# Altium PCB FMC_ADC_100M_10B_16CHA_TDC.PcbDoc (part 7 of 12) (continued)
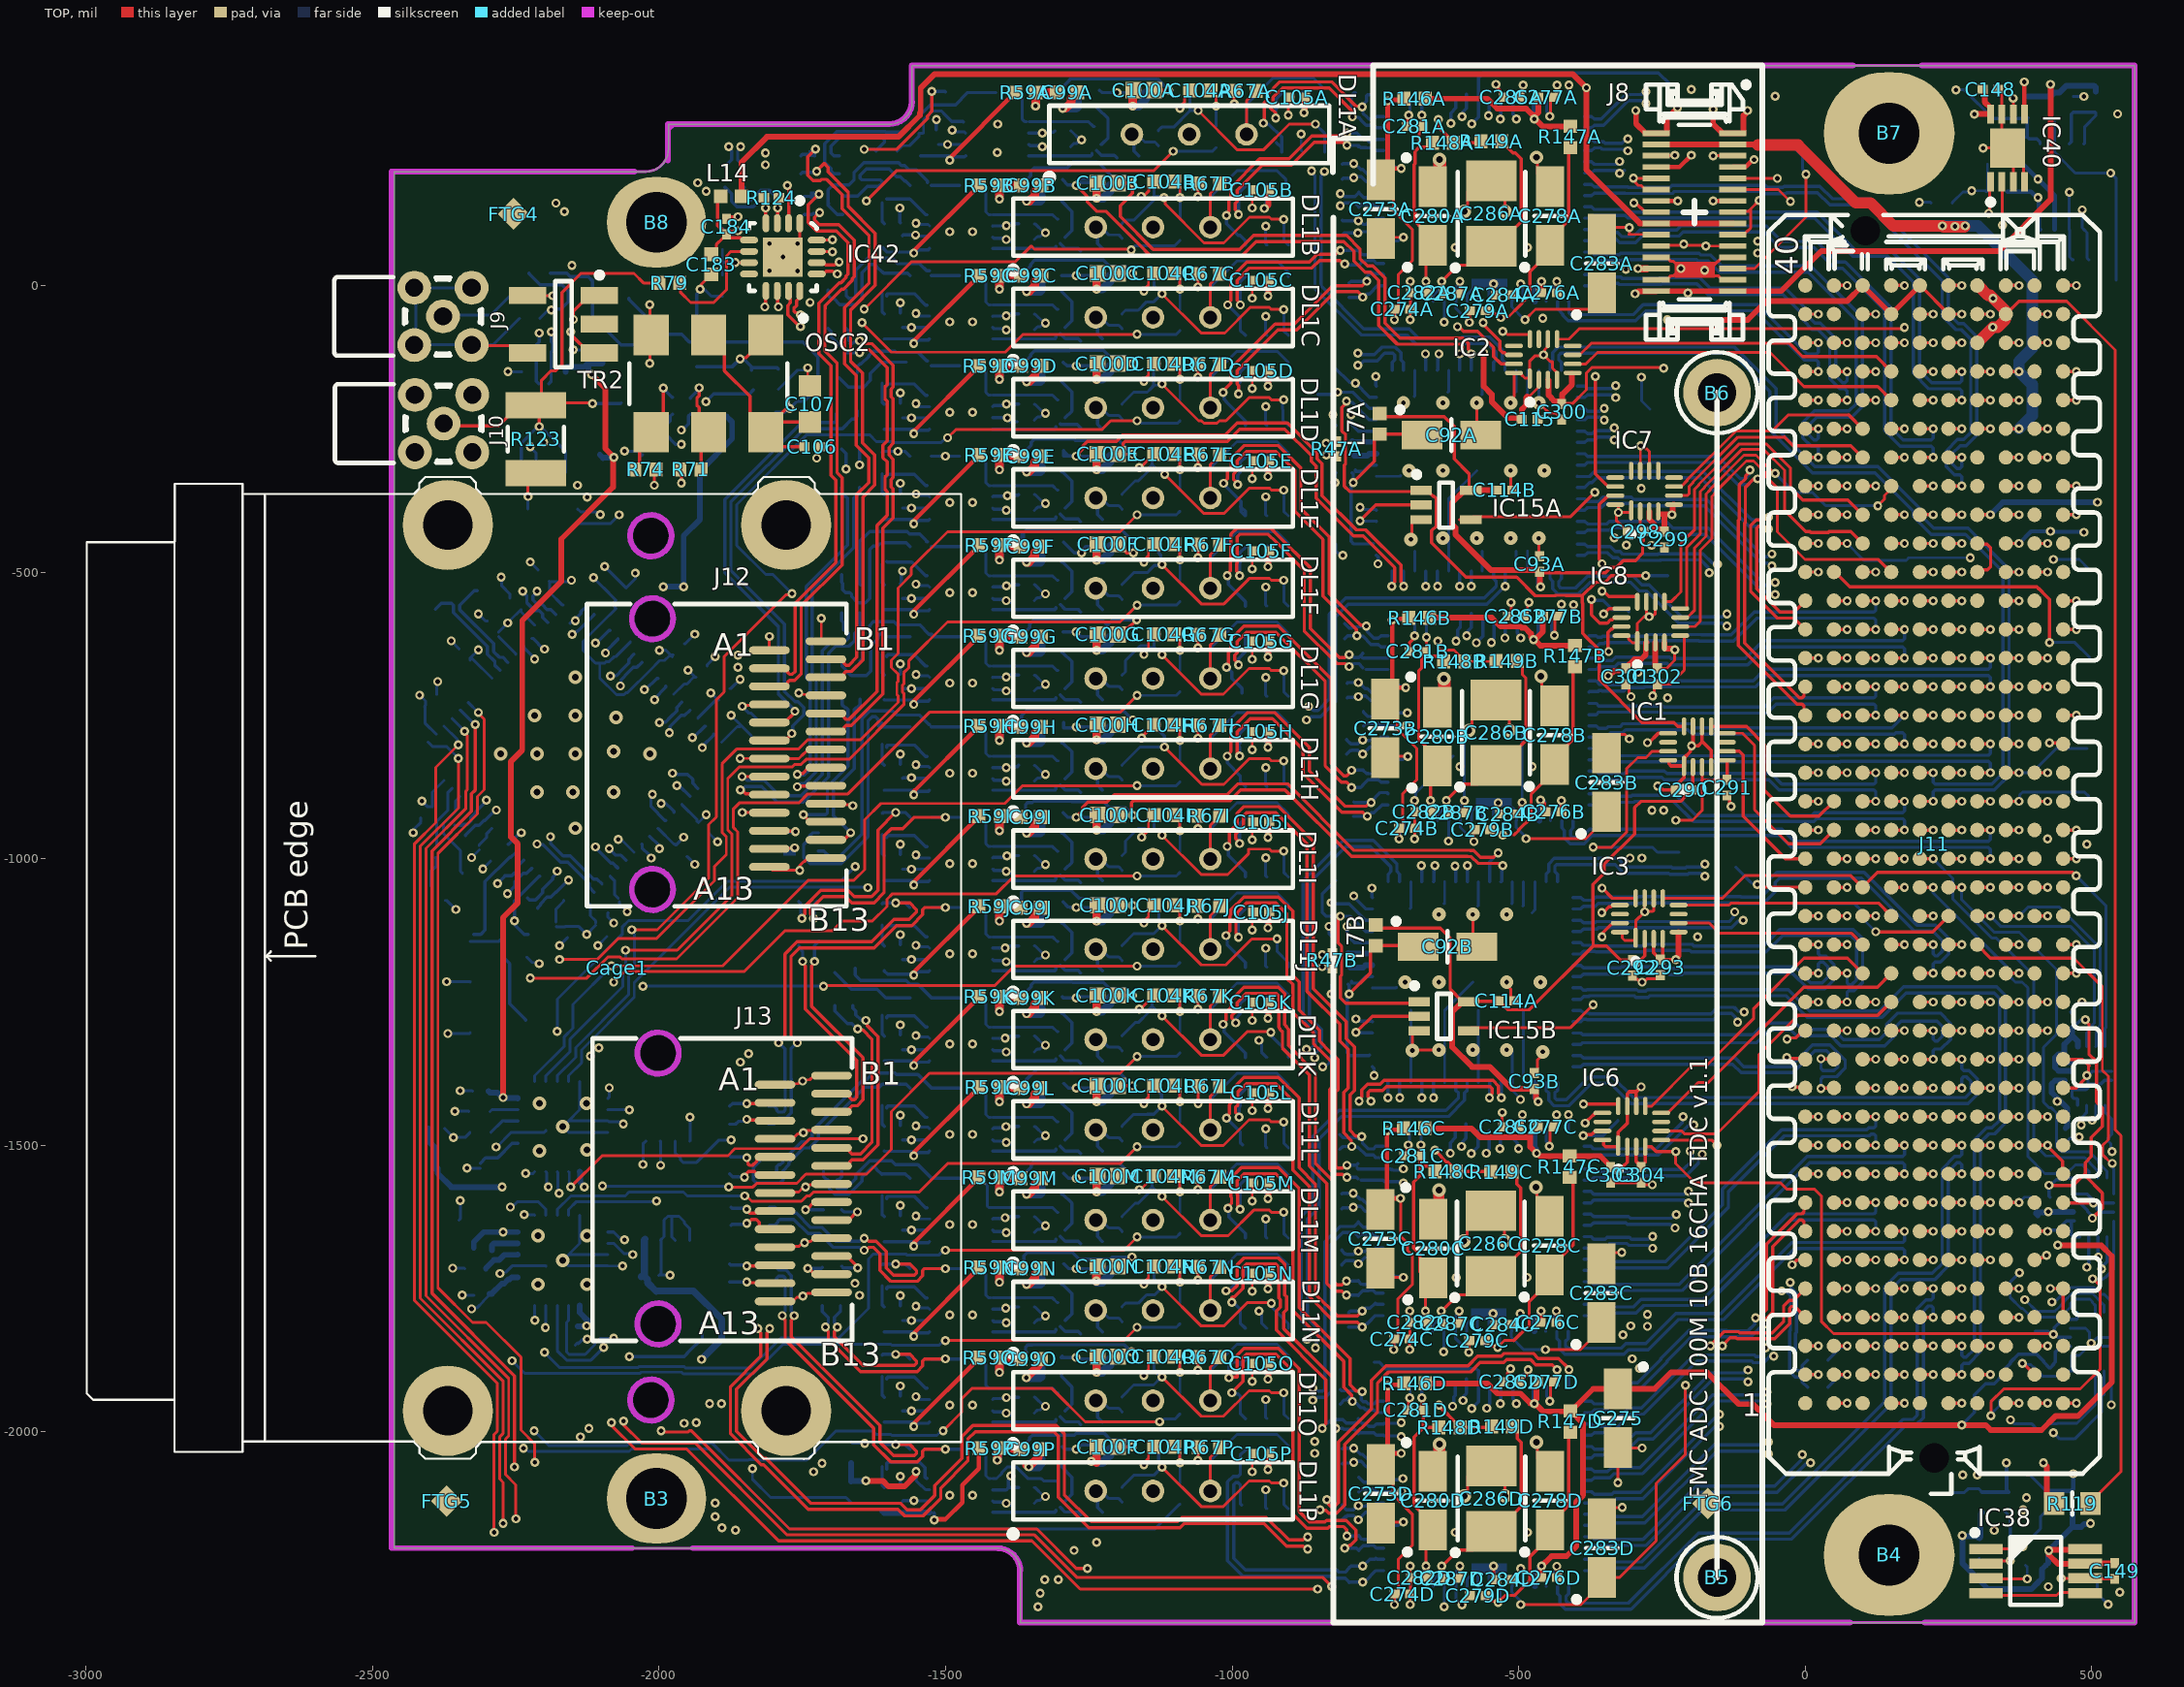
[diagram p0: TOP view]
## Nets (pads, with @x,y where several pads share a name; then routed paths per layer and width w, separated by ;. In a path a pad name is that pad's centre, name@x,y a point inside that pad or via, vN(x,y) a via of type N, cw(c..) or ccw(c..) an arc to the next point about the centre after c; other vN are vias at no path point) (continued)
  TOP w6: C281C.2@-699.21,-1518.32 -694.72,-1513.83 -694.72,-1501.3 v1(-692.86,-1499.43) ; C281A.2@-695.27,277.51 -693.7,279.08 -693.7,295.61 v1(-692.12,297.19) ; C281D.2@-693.84,-1961.52 -692.06,-1959.74 -692.06,-1942.26 v1(-690.29,-1940.49) ; IC6.16@-353.96,-1490.76 -352.88,-1490.76 -352.01,-1491.63 -352.01,-1499.22 -348.5,-1502.73 -327.27,-1502.73 -326.4,-1501.87 IC6.1@-326.4,-1500.6 -326.4,-1477.32 -310.66,-1461.57 IC6.11@-310.66,-1431.71 -310.66,-1410.23 -306.98,-1406.55 -294.91,-1406.55 ; IC6.10@-294.91,-1431.71 -294.91,-1406.55 ; v1(-286.39,-1398.03) -294.91,-1406.55 ; v1(-257.54,-873.56) -254.9,-873.56 -248.31,-880.15 -225.61,-880.15 -220.73,-875.28 -220.73,-867.73 -211.62,-858.62 IC1.1@-211.62,-838.2 ; IC1.16@-239.18,-828.36 -238.53,-828.36 -237.67,-829.22 -237.67,-834.69 -234.15,-838.2 IC1.1@-211.62,-838.2 ; IC1.11@-195.87,-769.3 -195.87,-797.63 -198.48,-800.23 v1(-198.48,-802.87) ; IC1.10@-180.12,-769.3 -180.12,-796.49 ; IC1.4@-164.38,-840.17 -164.38,-811.03 -178.92,-796.49 -180.12,-796.49 ; C291.2@-136.62,-889.82 -131.74,-894.69 -131.74,-904.26 -129.72,-906.29 v1(-129.72,-908.93) ; IC1.1@-211.62,-838.2 -211.01,-837.59 -211.01,-823.81 -200.34,-813.14 -200.34,-804.74 v1(-198.48,-802.87) ; v1(-198.48,-802.87) -186.51,-802.87 -180.12,-796.49
  BOTTOM w5: v1(-2429.16,-954.78) -2427.1,-952.72 -2427.1,-948.14 -2415.65,-936.69 C126.1@-2415.65,-929.09 ; C122.1@-2388.41,-713.3 -2387.71,-712.6 -2387.71,-692.49 v1(-2386.22,-691) ; C144.2@-2374.53,-1471.08 -2373.55,-1471.08 -2358.66,-1485.96 v1(-2358.66,-1486.27) -2338.47,-1486.27 R84.1@-2330.04,-1477.85 ; C136.1@-2373.1,-1072.9 -2370.46,-1072.9 v1(-2354.73,-1088.64) ; v1(-2370.47,-1214.62) -2329.81,-1214.62 C116.1@-2329.26,-1215.17 ; v1(-2368.63,-1305.17) -2330.67,-1305.17 C117.1@-2329.26,-1303.75 ; v1(-2362.6,-620.13) -2348.94,-633.79 C119.1@-2348.94,-634.46 ; v1(-2360.03,-1714.39) -2339.95,-1714.39 R86.1@-2339.16,-1715.17 ; v1(-2356.47,-1440.67) -2332.34,-1440.67 R81.1@-2331.79,-1441.22 ; IC37.3@-2348.94,-1630.52 -2346.85,-1628.43 v1(-2346.85,-1596.51) ; v1(-2346.85,-1404.78) -2325.87,-1404.78 C145.2@-2325.32,-1405.33 ; v1(-2343.77,-1761.49) -2323.6,-1761.49 C147.2@-2323.23,-1761.86 ; v1(-2315.36,-572.89) -2302.9,-585.35 C127.1@-2299.63,-585.35 ; v1(-2307.48,-1017.77) -2293.8,-1004.1 C124.1@-2293.8,-1003.89 ; v1(-2284.4,-1502.93) -2283.23,-1502.93 -2257.54,-1477.24 IC35.9@-2246.53,-1477.24 -2200.02,-1477.24 IC35.25@-2197.25,-1474.46 ; v1(-2277.86,-1723.6) -2275.81,-1721.54 -2267.41,-1721.54 -2256.37,-1710.51 IC36.9@-2246.53,-1710.51 -2197.42,-1710.51 IC36.25@-2197.25,-1710.68 ; v1(-2275.51,-508.87) -2274.4,-509.98 -2274.4,-524.24 -2260.26,-538.38 C123.1@-2260.26,-545.98 ; v1(-2263.74,-150.45) IC41.5@-2239.57,-150.45 ; R78.1@-2230.83,-1171.86 -2221.52,-1181.17 -2211,-1181.17 v1(-2209.05,-1183.13) ; v1(-2224.8,-482.34) -2211.05,-496.09 C134.1@-2211.05,-496.77 ; R75.1@-2208.19,-57.69 -2193.5,-43 v1(-2188,-43) ; v1(-2173.62,-1151.63) -2159.94,-1137.95 C137.1@-2159.94,-1137.75 ; v1(-2150,-112.26) -2128.09,-112.26 C181.2@-2126.48,-110.66 -2122.54,-106.72 C182.2@-2096.95,-106.72 ; C146.2@-2146.06,-1848.48 -2142.13,-1844.54 -2140.67,-1846 -2132.84,-1838.17 v1(-2125.55,-1838.17) ; T8.4@-2142.13,-389.82 -2136.75,-395.19 -2110.13,-395.19 -2105.66,-399.66 v1(-2102.75,-399.66) ; IC36.17@-2138.26,-1621.93 -2138.26,-1671.14 IC36.25@-2157.95,-1690.82 ; IC35.17@-2138.26,-1388.66 -2138.26,-1437.87 IC35.25@-2157.95,-1457.56 ; v1(-2106.69,-1151.63) -2091.14,-1136.08 C142.1@-2091.14,-1135.68 ; v1(-2094.88,-490.21) -2057.58,-527.51 C125.1@-2057.58,-527.71 -2041.38,-511.51 v1(-2041.38,-501.77) ; IC36.21@-2089.05,-1690.82 IC36.25@-2157.95,-1690.82 ; IC35.22@-2089.05,-1477.24 -2157.95,-1477.24 v2(-2167.79,-1467.4) IC35.25@-2157.95,-1457.56 ; C139.1@-2088.88,-1094.44 -2089.11,-1094.68 -2089.11,-1102.28 v1(-2079.14,-1112.26) ; v1(-2063.38,-1710.68) -2063.47,-1710.6 -2088.96,-1710.6 IC36.22@-2089.05,-1710.51 -2157.95,-1710.51 v2(-2167.79,-1700.67) IC36.25@-2157.95,-1690.82 ; v1(-2062.43,-1462.65) -2065.34,-1462.65 -2069.13,-1458.86 -2087.75,-1458.86 IC35.21@-2089.05,-1457.56 IC35.25@-2157.95,-1457.56 ; v1(-2060,-289) -2037.56,-289 -2029.94,-296.62 D3.1@-2028.6,-295.28 ; C150.2@-2000.52,-1726.98 C150.2@-1999.97,-1726.43 ; IC39.7@-1997.56,-1665.96 -1991.2,-1659.6 -1991.2,-1630.43 -1984.61,-1623.83 -1980.46,-1623.83 ; IC39.7@-1996.46,-1667.38 -1996.46,-1722.92 C150.2@-1999.97,-1726.43 ; v1(-1980.71,-1726.43) C150.2@-1999.97,-1726.43 ; IC39.6@-1971.97,-1665.96 -1977.53,-1660.4 -1977.53,-1626.76 -1980.46,-1623.83 ; C128.1@-1955.44,-624.82 -1953.9,-624.82 v1(-1937.4,-608.32) ; C138.1@-1951.28,-996.02 v1(-1937.4,-1009.9) ; IC39.5@-1946.38,-1665.96 -1946.38,-1645.29 -1955.61,-1636.06 -1955.61,-1633.32 -1965.11,-1623.83 -1980.46,-1623.83 ; IC39.4@-1946.38,-1492.73 -1945.28,-1491.63 -1946,-1490.9 v1(-1946,-1451) ; v1@-1921.66,-5.96 -1908.76,-18.86 R151.1@-1889.42,-18.86 ; C135.1@-1916.07,-664.19 -1916.07,-661.79 v1(-1901.97,-647.69) ; C121.1@-1911.91,-956.65 v1(-1898.03,-970.53) ; C140.1@-1876.5,-703.36 -1874.95,-703.36 v1(-1858.66,-687.06) ; v1(-1854.73,-734.3) -1842.72,-746.31 C141.1@-1839.18,-746.31 C120.1@-1819.49,-766 ; C111.1@-1791.73,-181.16 -1758.27,-147.69 v1@-1744.49,-147.69 ; R118.1@-1664.89,-2017.53 -1662.46,-2019.95 v1(-1641.06,-2019.95) ; C101P.2@-1345,-2124.62 -1339.63,-2119.25 -1335.18,-2119.25 -1329.26,-2113.32 v1@-1329.26,-2112.81 ; C103P.2@-1345,-2097.06 -1344.02,-2097.06 -1329.26,-2111.82 v1@-1329.26,-2112.81 ; C101O.2@-1345,-1967.14 -1339.63,-1961.76 -1335.18,-1961.76 -1329.26,-1955.84 v1@-1329.26,-1955.33 ; C103O.2@-1345,-1939.58 -1344.02,-1939.58 -1329.26,-1954.34 v1@-1329.26,-1955.33 ; C101N.2@-1345,-1809.66 -1339.63,-1804.28 -1335.18,-1804.28 -1329.26,-1798.36 v1@-1329.26,-1797.85 ; C103N.2@-1345,-1782.1 -1344.02,-1782.1 -1329.26,-1796.86 v1@-1329.26,-1797.85 ; C101M.2@-1345,-1652.18 -1339.63,-1646.8 -1335.18,-1646.8 -1329.26,-1640.88 v1@-1329.26,-1640.37 ; C103M.2@-1345,-1624.62 -1344.02,-1624.62 -1329.26,-1639.38 v1@-1329.26,-1640.37 ; C101L.2@-1345,-1494.7 -1339.63,-1489.32 -1335.18,-1489.32 -1329.26,-1483.4 v1@-1329.26,-1482.89 ; C103L.2@-1345,-1467.14 -1344.02,-1467.14 -1329.26,-1481.9 v1@-1329.26,-1482.89 ; C101K.2@-1345,-1337.22 -1339.63,-1331.84 -1335.18,-1331.84 -1329.26,-1325.92 v1@-1329.26,-1325.41 ; C103K.2@-1345,-1309.66 -1344.02,-1309.66 -1329.26,-1324.42 v1@-1329.26,-1325.41 ; C101J.2@-1345,-1179.74 -1339.63,-1174.36 -1335.18,-1174.36 -1329.26,-1168.44 v1@-1329.26,-1167.93 ; C103J.2@-1345,-1152.18 -1344.02,-1152.18 -1329.26,-1166.94 v1@-1329.26,-1167.93 ; C101I.2@-1345,-1022.26 -1339.63,-1016.88 -1335.18,-1016.88 -1329.26,-1010.96 v1@-1329.26,-1010.45 ; C103I.2@-1345,-994.7 -1344.02,-994.7 -1329.26,-1009.46 v1@-1329.26,-1010.45 ; C101H.2@-1345,-864.78 -1339.63,-859.4 -1335.18,-859.4 -1329.26,-853.48 v1@-1329.26,-852.97 ; C103H.2@-1345,-837.22 -1344.02,-837.22 -1329.26,-851.98 v1@-1329.26,-852.97 ; C101G.2@-1345,-707.3 -1339.63,-701.92 -1335.18,-701.92 -1329.26,-696 v1@-1329.26,-695.49 ; C103G.2@-1345,-679.74 -1344.02,-679.74 -1329.26,-694.5 v1@-1329.26,-695.49 ; C101F.2@-1345,-549.82 -1339.63,-544.44 -1335.18,-544.44 -1329.26,-538.52 v1@-1329.26,-538 ; C103F.2@-1345,-522.26 -1344.02,-522.26 -1329.26,-537.02 v1@-1329.26,-538 ; C101E.2@-1345,-392.34 -1339.63,-386.96 -1335.18,-386.96 -1329.26,-381.04 v1@-1329.26,-380.52 ; C103E.2@-1345,-364.78 -1344.02,-364.78 -1329.26,-379.54 v1@-1329.26,-380.52 ; C101D.2@-1345,-234.86 -1339.63,-229.48 -1335.18,-229.48 -1329.26,-223.56 v1@-1329.26,-223.04 ; C103D.2@-1345,-207.3 -1344.02,-207.3 -1329.26,-222.06 v1@-1329.26,-223.04 ; C101C.2@-1345,-77.38 -1339.63,-72 -1335.18,-72 -1329.26,-66.07 v1@-1329.26,-65.56 ; C103C.2@-1345,-49.82 -1344.02,-49.82 -1329.26,-64.58 v1@-1329.26,-65.56 ; C101B.2@-1345,80.11 -1339.63,85.48 -1335.18,85.48 -1329.26,91.41 v1@-1329.26,91.92 ; C103B.2@-1345,107.66 -1344.02,107.66 -1329.26,92.9 v1@-1329.26,91.92 ; v1(-1325.84,-2112.81) v1@-1329.26,-2112.81 ; v1(-1325.84,-1955.33) v1@-1329.26,-1955.33 ; v1(-1325.84,-1797.85) v1@-1329.26,-1797.85 ; v1(-1325.84,-1640.37) v1@-1329.26,-1640.37 ; v1(-1325.84,-1482.89) v1@-1329.26,-1482.89 ; v1(-1325.84,-1325.41) v1@-1329.26,-1325.41 ; v1(-1325.84,-1167.93) v1@-1329.26,-1167.93 ; v1(-1325.84,-1010.45) v1@-1329.26,-1010.45 ; v1(-1325.84,-852.97) v1@-1329.26,-852.97 ; v1(-1325.84,-695.49) v1@-1329.26,-695.49 ; v1(-1325.84,-538) v1@-1329.26,-538 ; v1(-1325.84,-380.52) v1@-1329.26,-380.52 ; v1(-1325.84,-223.04) v1@-1329.26,-223.04 ; v1(-1325.84,-65.56) v1@-1329.26,-65.56 ; v1(-1325.84,91.92) v1@-1329.26,91.92 ; C101A.2@-1281.89,242.07 -1276.52,247.45 -1272.07,247.45 -1266.14,253.37 v1@-1266.14,253.88 ; C103A.2@-1281.89,269.63 -1280.91,269.63 -1266.14,254.87 v1@-1266.14,253.88 ; v1(-1262.72,253.88) v1@-1266.14,253.88 ; v1(-953.15,-1789.42) -953.15,-1792.33 -948.8,-1796.68 -948.8,-1809.93 IC32N.2@-939.49,-1819.24 ; v1(-953.15,-1316.98) -953.15,-1319.89 -948.8,-1324.24 -948.8,-1337.49 IC32K.2@-939.49,-1346.8 ; v1(-941.46,-2101) -941.46,-2132.23 IC32P.2@-939.49,-2134.2 ; v1(-941.46,-1943.52) -941.46,-1974.75 IC32O.2@-939.49,-1976.72 ; v1(-941.46,-1628.56) -941.46,-1659.79 IC32M.2@-939.49,-1661.76 ; v1(-941.46,-1471.08) -941.46,-1502.31 IC32L.2@-939.49,-1504.28 ; v1(-941.46,-1156.12) -941.46,-1187.35 IC32J.2@-939.49,-1189.32 ; v1(-941.46,-998.63) -941.46,-1029.87 IC32I.2@-939.49,-1031.84 ; v1(-941.46,-841.15) -941.46,-872.39 IC32H.2@-939.49,-874.36 ; v1(-941.46,-683.67) -941.46,-714.91 IC32G.2@-939.49,-716.88 ; v1(-941.46,-526.19) -941.46,-557.43 IC32F.2@-939.49,-559.4 ; v1(-941.46,-368.71) -941.46,-399.95 IC32E.2@-939.49,-401.92 ; v1(-941.46,-211.23) -941.46,-242.47 IC32D.2@-939.49,-244.44 ; v1(-941.46,-53.75) -941.46,-84.99 IC32C.2@-939.49,-86.96 ; v1(-941.46,103.73) -941.46,72.49 IC32B.2@-939.49,70.52 ; v1(-879.66,264.38) -879.66,235.77 IC32A.2@-878.35,234.46 ; v1(-842.09,-1363.24) -837.65,-1363.24 -830.26,-1355.84 -830.26,-1347.47 C96B.1@-826.18,-1343.4 ; v1(-831.1,-1118.17) -831.1,-1131.33 -825.73,-1136.71 C95B.1@-825.2,-1136.71 ; v1(-827.16,-1236.28) -827.16,-1221.35 C94B.1@-825.2,-1219.38 ; v1(-824.21,-225.61) -824.21,-238.77 -818.84,-244.15 C95A.1@-818.31,-244.15 ; v1(-820.27,-343.72) -820.27,-328.79 C94A.1@-818.31,-326.82 ; C96A.1@-819.29,-450.84 C96A.1@-819.29,-450.84 -819.25,-463.29 -813.81,-468.73 -809.27,-468.73 v1(-807,-471) ; IC14B.56@-755.32,-1225.45 -713.98,-1225.45 IC14B.65@-712.99,-1224.46 ; IC14A.56@-748.43,-332.89 -707.09,-332.89 IC14A.65@-706.1,-331.9 ; IC50C.37@-736.62,-1718.44 -725.79,-1718.44 -715.92,-1728.31 -703.24,-1728.31 v1(-701.18,-1730.37) ; IC50D.37@-735.7,-2163.32 -710.18,-2163.32 -704.17,-2157.31 v1(-701.26,-2157.31) ; IC50A.37@-735.7,78.02 -710.17,78.02 -704.17,84.02 v1(-701.26,84.02) ; IC50B.37@-727.83,-827.49 -702.3,-827.49 -696.29,-821.49 v1(-693.38,-821.49) ; v1(-692.86,-1499.43) -692.86,-1496.53 -690.67,-1494.34 -690.67,-1475.65 IC50C.50@-689.37,-1474.34 ; v1(-692.12,297.19) -692.12,300.09 -689.76,302.46 -689.76,320.81 IC50A.50@-688.46,322.11 ; v1(-690.29,-1940.49) -689.37,-1939.57 -689.37,-1920.14 IC50D.50@-688.46,-1919.23 ; v1(-690.29,-1856.35) -689.83,-1855.9 -689.83,-1825.19 IC50C.31@-689.37,-1824.74 ; v1(-689.37,-2301.23) -688.92,-2300.78 -688.92,-2270.08 IC50D.31@-688.46,-2269.62 ; IC14B.65@-689.37,-1086.67 -688.39,-1085.68 IC14B.3@-688.39,-1040.41 ; v1(-689.37,-59.9) -688.91,-59.44 -688.91,-28.74 IC50A.31@-688.46,-28.28 ; IC14B.46@-688.39,-1390.8 IC14B.65@-688.39,-1264.82 ; IC14A.65@-682.48,-194.11 -681.5,-193.12 IC14A.3@-681.5,-147.85 ; v1(-681.49,-965.41) -681.04,-964.95 -681.04,-934.25 IC50B.31@-680.58,-933.79 -681.04,-933.34 -681.04,-898.93 -679.44,-897.33 -679.44,-885.4 -614.95,-820.92 IC50B.65@-614.57,-820.92 ; v1(-681.49,-611.08) -681.04,-610.62 -681.04,-583.85 IC50B.50@-680.58,-583.4 ; IC14A.46@-681.5,-498.24 IC14A.65@-681.5,-463.85 ; v1(-631.23,-1860.29) -630.77,-1859.83 -630.77,-1825.19 IC50C.28@-630.32,-1824.74 ; v1(-630.31,-2305.17) -629.86,-2304.72 -629.86,-2270.08 IC50D.28@-629.4,-2269.62 ; IC14B.65@-630.32,-1078.79 -629.33,-1077.81 IC14B.6@-629.33,-1040.41 ; v1(-630.31,-63.83) -629.86,-63.38 -629.86,-28.74 IC50A.28@-629.4,-28.28 ; IC14B.43@-629.33,-1390.8 -629.33,-1264.82 IC14B.65@-580.12,-1215.6 ; IC14A.65@-623.43,-186.23 -622.44,-185.25 IC14A.6@-622.44,-147.85 ; v1(-622.44,-969.34) -621.98,-968.89 -621.98,-934.25 IC50B.28@-621.53,-933.79 ; IC14A.43@-622.44,-498.24 -622.44,-372.26 IC14A.65@-573.23,-323.04 ; v1(-603.67,-1789.42) -603.67,-1792.33 -610.63,-1799.29 IC50C.27@-610.63,-1824.74 -610.63,-1836.39 -589.74,-1857.29 v1@-589.74,-1858.16 ; v1(-602.76,-2234.3) -602.76,-2237.21 -609.72,-2244.17 IC50D.27@-609.72,-2269.62 -609.72,-2291.28 v1@-594.99,-2306.01 ; v1(-602.75,7.03) -602.75,4.13 -609.72,-2.84 IC50A.27@-609.72,-28.28 -609.72,-39.94 -588.82,-60.83 v1@-588.82,-61.71 ; IC50B.65@-594.88,-772.49 v1(-594.88,-898.48) -594.88,-901.39 -601.84,-908.35 IC50B.27@-601.84,-933.79 -601.84,-945.45 -580.94,-966.35 v1@-580.94,-967.22 ; IC14B.65@-571.26,-1082.73 -570.28,-1081.75 IC14B.9@-570.28,-1040.41 ; IC14B.40@-570.28,-1390.8 IC14B.65@-570.28,-1264.82 ; IC14A.65@-564.37,-190.17 -563.39,-189.19 IC14A.9@-563.39,-147.85 ; IC14A.40@-563.39,-498.24 IC14A.65@-563.39,-463.85 ; IC14B.65@-512.21,-1078.79 -511.22,-1077.81 IC14B.12@-511.22,-1040.41 ; IC14B.65@-511.22,-1333.56 IC14B.37@-511.22,-1390.8 -511.22,-1404.19 -497,-1418.42 v1(-497,-1420) ; IC14A.65@-505.32,-186.23 -504.33,-185.25 IC14A.12@-504.33,-147.85 ; IC14A.37@-504.33,-498.24 IC14A.65@-504.33,-463.85 ; IC50B.65@-494,-781.85 v1(-494,-902) -484.64,-911.36 -484.64,-932.88 IC50B.21@-483.73,-933.79 ; v1@-493.43,-1797.3 -493.43,-1823.82 IC50C.21@-492.52,-1824.74 ; v1@-492.52,-2242.18 -492.52,-2268.71 IC50D.21@-491.61,-2269.62 ; IC14B.65@-492.52,-1082.73 -491.54,-1081.75 IC14B.13@-491.54,-1040.41 ; v1@-492.52,-0.84 -492.52,-27.37 IC50A.21@-491.6,-28.28 ; IC14B.36@-491.54,-1390.8 IC14B.65@-491.54,-1264.82 ; IC14A.65@-485.63,-190.17 -484.65,-189.19 IC14A.13@-484.65,-147.85 ; IC14A.36@-484.65,-498.24 IC14A.65@-484.65,-463.85 ; IC14B.65@-476.77,-1094.54 -471.85,-1089.62 IC14B.14@-471.85,-1040.41 ; IC14A.65@-469.88,-201.98 -464.96,-197.06 IC14A.14@-464.96,-147.85 ; IC50C.19@-453.15,-1824.74 -453.15,-1813.91 -436.44,-1797.2 -436.44,-1791.48 v1(-434.38,-1789.42) ; IC50C.62@-453.15,-1474.34 -451.85,-1475.65 -451.85,-1493.22 -446.99,-1498.08 v1@-446.19,-1498.08 ; IC50D.19@-452.24,-2269.62 -452.24,-2258.79 -435.52,-2242.08 -435.52,-2236.68 v1(-433.47,-2234.62) ; IC50D.62@-452.24,-1919.23 -450.93,-1920.53 -450.93,-1938.1 -446.07,-1942.97 v1@-445.28,-1942.97 ; IC50A.19@-452.23,-28.28 -452.23,-17.45 -435.52,-0.74 -435.52,4.98 v1(-433.46,7.03) ; IC50A.62@-452.23,322.11 -450.93,320.81 -450.93,303.23 -446.07,298.37 v1@-445.27,298.37 ; IC50B.19@-444.36,-933.79 -444.36,-922.97 -427.65,-906.25 -427.65,-900.53 v1(-425.59,-898.48) ; IC50B.62@-444.36,-583.4 -443.06,-584.7 -443.06,-602.28 -438.2,-607.14 v1@-437.4,-607.14 ; v1(373,-1600) 373.28,-1600 382.81,-1590.47 C297.2@399.17,-1590.47 400.15,-1590.47 C297.2@405.53,-1595.84 ; v1(378.61,-1880.36) 381.52,-1880.36 383.7,-1882.54 393.8,-1882.54 C305.2@399.17,-1887.91 400.15,-1887.91 410.37,-1898.13 410.37,-1898.89 414.76,-1903.28 438.69,-1903.28 447.98,-1894 462.76,-1894 ; C288.2@398.69,-1640.46 408.22,-1650 v1(423,-1650) ; C306.2@406.5,-1845.32 401.12,-1850.69 401.12,-1851.68 402.8,-1850 v1(423,-1850) ; v1@421,-1694.91 v1(421,-1692) v1@421,-1689.09 ; C296.2@457,-1493.78 457,-1492.8 462.37,-1487.42 476.35,-1487.42 v1(477.91,-1485.86) ; IC9.4@462.5,-1819.2 488.96,-1819.2 496.08,-1826.32 496.08,-1848.61 478.25,-1866.44 IC9.1@464.47,-1866.44 464.47,-1892.28 462.76,-1894 ; C295.2@467.56,329.79 v1(486.26,329.79) ; C289.2@468.03,-1273.25 C289.2@463,-1268.22 463,-1267.24 480.24,-1250 v1(483.07,-1250) ; IC9.16@474.32,-1894 462.76,-1894 ; v1(483.31,131.96) 483.31,100.46 IC55.1@486.26,97.51 491.63,92.13 491.63,47.84 C294.1@495.12,44.36 ; IC9.11@533.37,-1850.69 504.36,-1850.69 v1(498.99,-1845.32) 506.41,-1837.9 507.42,-1837.9 510.38,-1834.94 IC9.10@533.37,-1834.94
  BOTTOM w5.71: v1@-1584.45,-2077.38 v1(-1579.26,-2077.38) ; v1@-1584.45,-1919.89 v1(-1579.26,-1919.89) ; v1@-1584.45,-1762.41 v1(-1579.26,-1762.41) ; v1@-1584.45,-1604.93 v1(-1579.26,-1604.93) ; v1@-1584.45,-1447.45 v1(-1579.26,-1447.45) ; v1@-1584.45,-1289.97 v1(-1579.26,-1289.97) ; v1@-1584.45,-1132.49 v1(-1579.26,-1132.49) ; v1@-1584.45,-975.01 v1(-1579.26,-975.01) ; v1@-1584.45,-817.53 v1(-1579.26,-817.53) ; v1@-1584.45,-660.05 v1(-1579.26,-660.05) ; v1@-1584.45,-345.09 v1(-1579.26,-345.09) ; v1@-1584.45,-30.13 v1(-1579.26,-30.13) ; v1@-1581.22,-2079.34 -1579.26,-2081.31 C102P.2@-1579.26,-2095.09 ; v1@-1581.22,-1921.86 -1579.26,-1923.83 C102O.2@-1579.26,-1937.61 ; v1@-1581.22,-1764.38 -1579.26,-1766.35 C102N.2@-1579.26,-1780.13 ; v1@-1581.22,-1606.9 -1579.26,-1608.87 C102M.2@-1579.26,-1622.65 ; v1@-1581.22,-1449.42 -1579.26,-1451.39 C102L.2@-1579.26,-1465.17 ; v1@-1581.22,-1291.94 -1579.26,-1293.91 C102K.2@-1579.26,-1307.69 ; v1@-1581.22,-1134.46 -1579.26,-1136.43 C102J.2@-1579.26,-1150.21 ; v1@-1581.22,-976.98 -1579.26,-978.95 C102I.2@-1579.26,-992.73 ; v1@-1581.22,-819.5 -1579.26,-821.47 C102H.2@-1579.26,-835.25 ; v1@-1581.22,-662.02 -1579.26,-663.99 C102G.2@-1579.26,-677.77 ; v1@-1581.22,-347.06 -1579.26,-349.03 C102E.2@-1579.26,-362.81 ; v1@-1581.22,-32.1 -1579.26,-34.07 C102C.2@-1579.26,-47.85 ; v1(-1580,135.22) -1579.63,134.85 -1579.63,110 C102B.2@-1579.26,109.63 ; C102F.2@-1579.26,-520.29 -1577.11,-518.15 -1577.11,-500.01 v1(-1575.19,-498.09) ; C102D.2@-1579.26,-205.33 v1(-1579.26,-187.61) ; v1@-1521.34,289.32 v1(-1516.14,289.32) ; v1@-1518.11,287.35 -1516.14,285.38 C102A.2@-1516.14,271.6 ; v1(423,-1650) 424.83,-1648.17 439.44,-1648.17 455.43,-1632.19 IC4.1@465.05,-1632.19 ; IC4.4@467.24,-1584.94 491.2,-1584.94 v1@507.12,-1600.86 ; IC4.1@469.21,-1632.19 IC4.1@465.05,-1632.19 ; IC5.16@475.38,-1430.18 475.38,-1419.47 474.38,-1418.48 468.88,-1418.48 465.54,-1415.13 IC5.1@465.54,-1402.62 490.07,-1402.62 493.41,-1399.28 493.41,-1393.07 ; IC4.16@479.05,-1659.75 467.4,-1659.75 464.05,-1656.4 464.05,-1633.18 IC4.1@465.05,-1632.19 ; v1(491.2,-1378) 493.92,-1378 500.79,-1371.13 IC5.10@534.43,-1371.13 ; v1@493.41,-1379.17 493.41,-1393.07 ; v1(502.67,-1600.86) 502.96,-1600.86 v1@505.04,-1598.78 ; IC5.11@534.43,-1386.87 522.15,-1386.87 518.19,-1390.83 517.74,-1390.83 515.49,-1393.07 493.41,-1393.07 ; IC4.11@538.1,-1616.44 513.79,-1616.44 509.04,-1611.69 509.04,-1602.78 v1@507.12,-1600.86 ; IC4.10@538.1,-1600.69 538.02,-1600.78 507.2,-1600.78 v1@507.12,-1600.86
  BOTTOM w6: R1.1@-2226.7,21.25 -2226.7,20.46 -2207.28,1.04 -2169.48,1.04 -2158.27,-10.17 -2158.27,-28.54 -2171.13,-41.39 -2186.39,-41.39 v1(-2188,-43) ; D1.1@-1934.34,-66.6 -1934.34,-14.75 -1928.55,-8.95 v1(-1928.55,-6.31)
  other v1: -610.63,-2175.25 -484.65,-2175.25 -1492.64,-2110.84 -1453.27,-2110.84 -1492.64,-1953.36 -1453.27,-1953.36 -1492.64,-1795.88 -1453.27,-1795.88 -609,-1731 -485.56,-1730.37 -1492.64,-1638.4 -1453.27,-1638.4 -1492.64,-1480.92 -1453.27,-1480.92 -1749.51,-1387.85 -1492.64,-1323.44 -1453.27,-1323.44 -1492.64,-1165.96 -1453.27,-1165.96 -1492.64,-1008.48 -1453.27,-1008.48 -1492.64,-851 -1453.27,-851 -602.75,-839.42 -476.77,-839.42 -1492.64,-693.52 -1453.27,-693.52 -1492.64,-536.04 -1453.27,-536.04 -1492.64,-378.56 -1453.27,-378.56 -1492.64,-221.08 -1453.27,-221.08 -1492.64,-63.6 -1453.27,-63.6 -1758.34,25.25 -1807.34,25.8 -217.1,29.37 -610.63,66.09 -484.64,66.09 -1807.34,73.05 -1758.6,73.05 -1492.64,93.88 -1453.27,93.88 -1158.51,155.46 -1409.84,232.23 -1408.86,281.44
  other v2: -468.9,-2017.77 -2211.05,-1742.73 -2125.49,-1742.73 -2211.05,-1658.07 -2125.49,-1657.8 -469.81,-1572.89 -2209.06,-1509.9 -2125.49,-1508.08 -2209.06,-1427.22 -2126.48,-1427.22 -2146.06,-946.9 -2212.99,-883.91 -2150,-883.91 -2079.14,-883.91 -2275.99,-816.98 -2212.99,-816.98 -2146.06,-816.98 -2016.14,-816.98 -2079.14,-813.05 -2075.2,-753.99 -2216.93,-750.05 -2146.06,-750.05 -2146.06,-683.12 -461.02,-681.94 -468.9,223.57
  other v3: -639.17,-1333.56 -580.12,-1333.56 -521.06,-1333.56 -698.23,-1215.45 -639.17,-1215.45 -462.01,-1215.45 -639.17,-1097.34 -580.12,-1097.34 -521.06,-1097.34 -573.23,-441 -514.17,-441 -691.34,-322.89 -632.29,-322.89 -455.12,-322.89 -701.18,-204.78 -632.29,-204.78 -573.23,-204.78 -514.17,-204.78
HA00_CC_N: IC50D.17 J11.f5 | length 1038.1
  TOP w5.71: J11.f5@200,-1750 v1(223,-1750)
  BOTTOM w5.71: IC50D.17@-412.87,-2269.62 -412.87,-2282.1 -417.35,-2286.58 -417.35,-2295.42 -414.01,-2298.77 -308.5,-2298.77 -186.09,-2176.37 -27.83,-2176.37 170.23,-1978.31 187.69,-1978.31 195.3,-1970.7 195.3,-1784.83 210.48,-1769.64 219.65,-1769.64 223,-1766.3 v1(223,-1750)
HA00_CC_P: IC50D.18 J11.f4 | length 1053.3
  TOP w5.71: J11.f4@200,-1800 v1(223,-1800)
  BOTTOM w5.71: IC50D.18@-432.55,-2269.62 -432.55,-2282.1 -428.07,-2286.58 -428.07,-2299.86 -418.44,-2309.48 -304.06,-2309.48 -181.65,-2187.08 -23.39,-2187.08 174.67,-1989.02 190.83,-1989.02 ; 193.05,-1988.1 206.01,-1975.14 206.01,-1789.26 214.92,-1780.36 219.65,-1780.36 223,-1783.7 v1(223,-1800)
HA01_CC_N: IC14B.26 J11.e3 | length 1489.8
  TOP w5.71: J11.e3@250,-1850 v1(273,-1850)
  BOTTOM w5.71: IC14B.26@-404.92,-1245.13 -391.46,-1245.13 -386.4,-1240.07 -377.55,-1240.07 -376.52,-1239.04 -298.58,-1239.04 -295.73,-1241.89 -273.82,-1241.89 -270.97,-1239.04 -34.01,-1239.04 3.4,-1276.44 133.95,-1276.44 176.13,-1234.27 329.52,-1234.27 338.73,-1243.48 338.73,-1456.52 325.86,-1469.38 316.22,-1469.38 294.86,-1490.74 294.86,-1855.86 281.08,-1869.64 276.35,-1869.64 273,-1866.3 v1(273,-1850)
HA01_CC_P: IC14B.25 J11.e2 | length 1524.8
  TOP w5.71: J11.e2@250,-1900 v1(273,-1900)
  BOTTOM w5.71: IC14B.25@-404.92,-1225.45 -391.46,-1225.45 -387.55,-1229.35 -381.98,-1229.35 -380.95,-1228.32 -294.15,-1228.32 -291.29,-1231.18 -278.26,-1231.18 -275.41,-1228.32 -29.57,-1228.32 7.84,-1265.73 129.52,-1265.73 171.69,-1223.56 333.95,-1223.56 349.44,-1239.05 349.44,-1460.95 330.3,-1480.09 320.66,-1480.09 305.58,-1495.18 305.58,-1860.3 285.52,-1880.36 276.35,-1880.36 273,-1883.7 v1(273,-1900)
HA03_N: IC50D.3 J11.j7 | length 676.2
  TOP w5.71: J11.j7@50,-1650 v1(73,-1650)
  L3 w4: v1(-69.61,-1853.47) -67.95,-1851.82 -59.64,-1851.82 -21.05,-1813.22 -21.05,-1765.08 37.87,-1706.16 37.87,-1696.24 63.62,-1670.5 70.66,-1670.5 73,-1668.16 v1(73,-1650)
  BOTTOM w5.71: IC50D.3@-385.31,-1986.16 -372.83,-1986.16 -368.35,-1990.64 -341.63,-1990.64 -309.12,-1958.13 -285.95,-1958.13 -193.51,-1865.69 -89.05,-1865.69 -86.09,-1868.65 -77.68,-1868.65 -71.53,-1862.49 -71.53,-1855.39 v1@-69.15,-1853.02
HA03_P: IC50D.4 J11.j6 | length 677.8
  TOP w5.71: J11.j6@50,-1700 v1(73,-1700)
  L3 w4: v1(-54.93,-1868.15) -53.28,-1866.49 -53.28,-1858.18 -12.05,-1816.95 -12.05,-1768.81 46.87,-1709.89 46.87,-1699.97 67.34,-1679.5 70.66,-1679.5 73,-1681.84 v1(73,-1700)
  BOTTOM w5.71: IC50D.4@-385.31,-2005.84 -372.83,-2005.84 -368.35,-2001.35 -337.19,-2001.35 -304.68,-1968.85 -281.51,-1968.85 -189.07,-1876.4 -93.48,-1876.4 -90.52,-1879.36 -73.25,-1879.36 v1@-56.41,-1862.53
HA04_N: IC50D.11 J11.f8 | length 1047.4
  TOP w5.71: J11.f8@200,-1600 v1(223,-1600)
  L3 w4: v1(-64,-2017.79) -61.66,-2017.79 -55.78,-2023.66 -23.19,-2023.66 19.04,-1981.43 162.6,-1981.43 187.87,-1956.16 187.87,-1646.24 213.62,-1620.5 220.66,-1620.5 223,-1618.16 v1(223,-1600)
  BOTTOM w5.71: IC50D.11@-385.31,-2143.64 -372.83,-2143.64 -368.35,-2148.12 -284.15,-2148.12 -158.83,-2022.8 -71.73,-2022.8
HA04_P: IC50D.12 J11.f7 | length 1047.4
  TOP w5.71: J11.f7@200,-1650 v1(223,-1650)
  L3 w4: v1(-64,-2038.53) -61.66,-2038.53 -55.78,-2032.66 -19.47,-2032.66 22.76,-1990.43 166.33,-1990.43 196.87,-1959.89 196.87,-1649.97 217.34,-1629.5 220.66,-1629.5 223,-1631.84 v1(223,-1650)
  BOTTOM w5.71: IC50D.12@-385.31,-2163.32 -372.83,-2163.32 -368.35,-2158.83 -279.71,-2158.83 -154.4,-2033.52 -71.73,-2033.52